# Altium PCB TestMod_SEAx_Baseboard.PcbDoc (part 2 of 2)
Units mil, origin at the board's own origin, x right, y up, seen from the top; angles counter-clockwise.
Board outline 2042.28 x 3149.61 mil, 4 copper layers (Top Layer, GND, Power, Bottom Layer), stack 57.48 mil thick; 38 components, 94 nets, 556 pads, 493 vias.
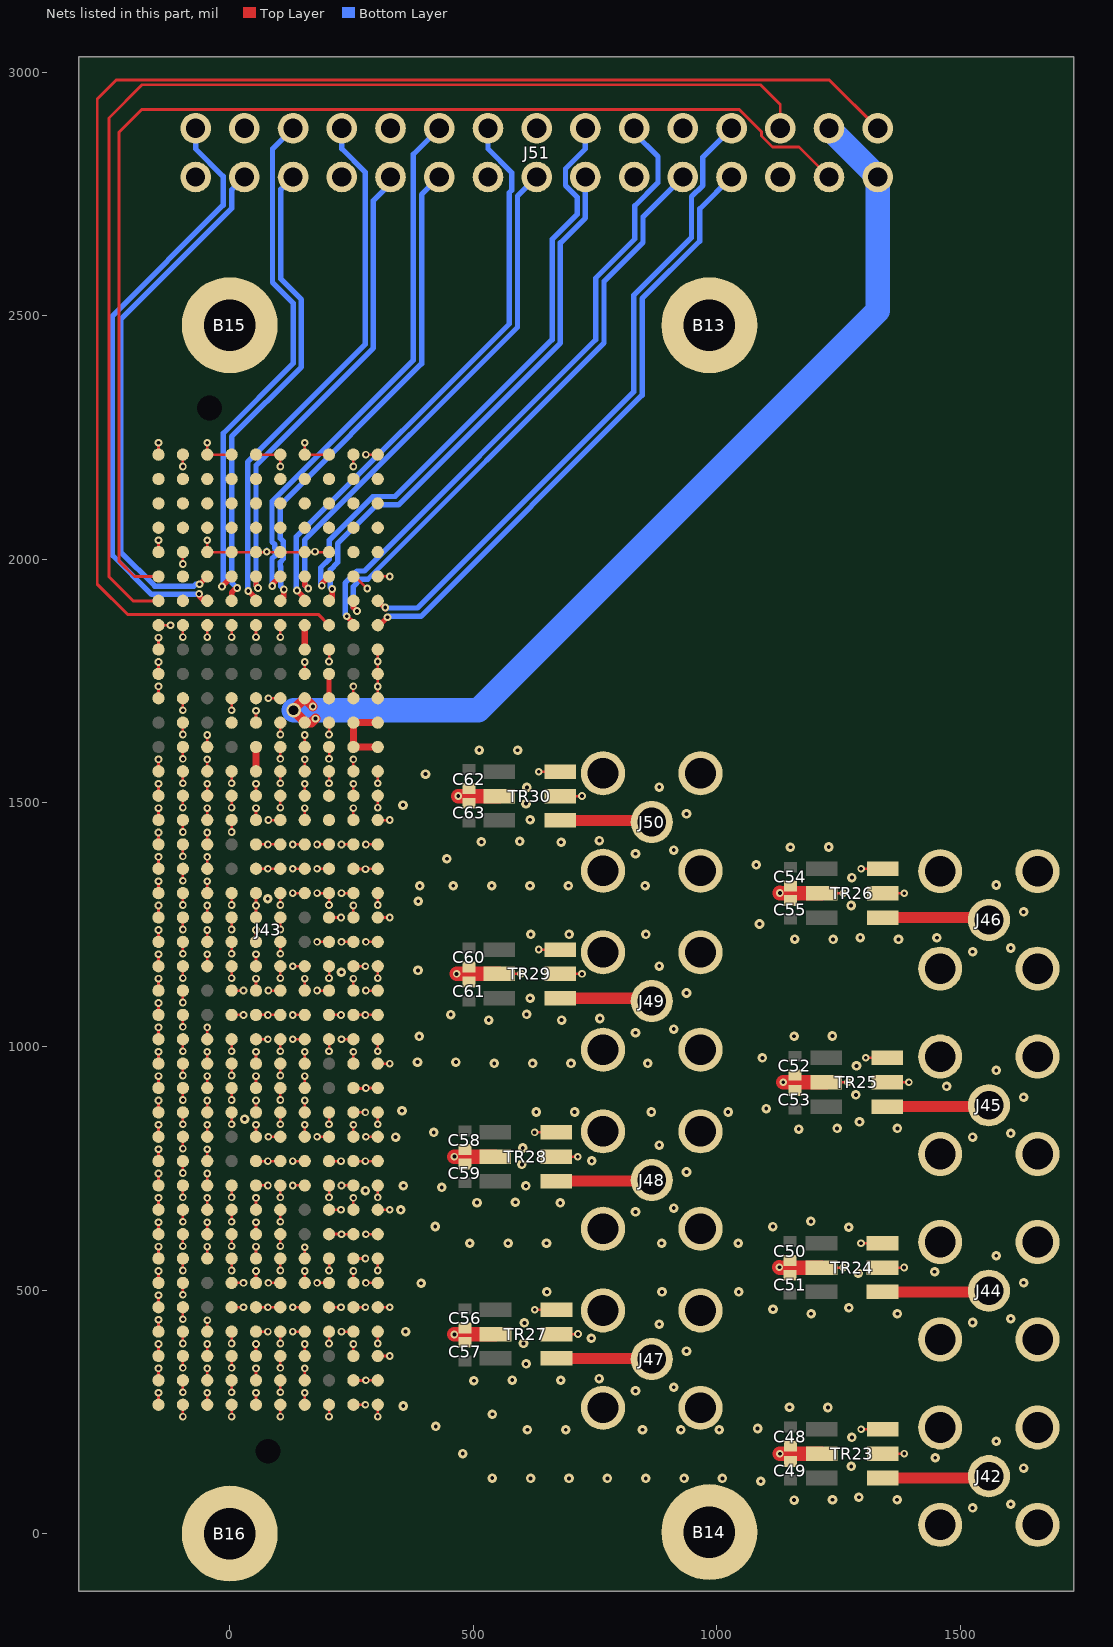
[diagram p4: the nets of this part, all layers, seen from the top]

## Via types
v1: diameter 15.75, hole 7.87, Top Layer to Bottom Layer, tented both sides, 326 vias
v2: diameter 19.68, hole 7.87, Top Layer to Bottom Layer, tented both sides, 166 vias
v3: diameter 30, hole 20, Top Layer to Bottom Layer, tented both sides, 1 vias

## Nets (pads, with @x,y where several pads share a name; then routed paths per layer and width w, separated by ;. In a path a pad name is that pad's centre, name@x,y a point inside that pad or via, vN(x,y) a via of type N, cw(c..) or ccw(c..) an arc to the next point about the centre after c; other vN are vias at no path point) (continued)
GND: B13.1 B14.1 B15.1 B16.1 C48.2 C49.2 C50.2 C51.2 C52.2 C53.2 C54.2 C55.2 C56.2 C57.2 C58.2 C59.2 C60.2 C61.2 C62.2 C63.2 J42.2 J43.a1 J43.a2 J43.a3 J43.a4 J43.a5 J43.a6 J43.a7 J43.a8 J43.a9 J43.a10 J43.a11 J43.a12 J43.a13 J43.a14 J43.a15 J43.a16 J43.a17 J43.a18 J43.a19 J43.a20 J43.a21 J43.a22 J43.a23 J43.a24 J43.a25 J43.a26 J43.a27 J43.a30 J43.a31 J43.a32 J43.a35 J43.a40 J43.b1 J43.b2 J43.b3 J43.b4 J43.b5 J43.b6 J43.b7 J43.b8 J43.b9 J43.b10 J43.b11 J43.b12 J43.b13 J43.b14 J43.b15 J43.b16 J43.b17 J43.b18 J43.b19 J43.b20 J43.b21 J43.b22 J43.b23 J43.b24 J43.b25 J43.b26 J43.b27 J43.b30 J43.b35 J43.b40 J43.c1 J43.c4 J43.c5 J43.c6 J43.c7 J43.c8 J43.c9 J43.c10 J43.c11 J43.c12 J43.c13 J43.c16 J43.c17 J43.c18 J43.c19 J43.c20 J43.c21 J43.c22 J43.c23 J43.c24 J43.c27 J43.c28 J43.c29 J43.c32 J43.c36 J43.c40 J43.d1 J43.d2 J43.d3 J43.d4 J43.d5 J43.d6 J43.d7 J43.d10 J43.d11 J43.d12 J43.d13 J43.d14 J43.d15 J43.d16 J43.d17 J43.d18 J43.d19 J43.d22 J43.d23 J43.d24 J43.d25 J43.d26 J43.d27 J43.d28 J43.d31 J43.d36 J43.d40 J43.e1 J43.e2 J43.e3 J43.e4 J43.e5 J43.e6 J43.e7 J43.e8 J43.e9 J43.e10 J43.e11 J43.e12 J43.e13 J43.e14 J43.e15 J43.e16 J43.e17 J43.e18 J43.e19 J43.e20 J43.e21 J43.e22 J43.e23 J43.e24 J43.e25 J43.e26 J43.e27 J43.e28 J43.e29 J43.e30 J43.e33 J43.e36 J43.e40 J43.f1 J43.f2 J43.f3 J43.f4 J43.f5 J43.f6 J43.f7 J43.f8 J43.f9 J43.f10 J43.f11 J43.f12 J43.f13 J43.f14 J43.f15 J43.f16 J43.f17 J43.f18 J43.f19 J43.f20 J43.f21 J43.f22 J43.f23 J43.f24 J43.f25 J43.f26 J43.f29 J43.f33 J43.f36 J43.f40 J43.g1 J43.g2 J43.g3 J43.g4 J43.g5 J43.g6 J43.g7 J43.g8 J43.g9 J43.g10 J43.g13 J43.g14 J43.g15 J43.g16 J43.g17 J43.g18 J43.g19 J43.g20 J43.g21 J43.g22 J43.g25 J43.g26 J43.g27 J43.g30 J43.g33 J43.g36 J43.g40 J43.h1 J43.h2 J43.h3 J43.h4 J43.h7 J43.h8 J43.h9 J43.h10 J43.h11 J43.h12 J43.h13 J43.h14 J43.h15 J43.h16 J43.h19 J43.h20 J43.h21 J43.h22 J43.h23 J43.h24 J43.h25 J43.h26 J43.h27 J43.h28 J43.h33 J43.h36 J43.h40 J43.j1 J43.j2 J43.j3 J43.j4 J43.j5 J43.j6 J43.j7 J43.j8 J43.j9 J43.j10 J43.j11 J43.j12 J43.j13 J43.j14 J43.j15 J43.j16 J43.j17 J43.j18 J43.j19 J43.j20 J43.j21 J43.j22 J43.j23 J43.j24 J43.j25 J43.j26 J43.j27 J43.j28 J43.j29 J43.j30 J43.j33 J43.j36 J43.j40 J43.k1 J43.k2 J43.k3 J43.k4 J43.k5 J43.k6 J43.k7 J43.k8 J43.k9 J43.k10 J43.k11 J43.k12 J43.k13 J43.k14 J43.k15 J43.k16 J43.k17 J43.k18 J43.k19 J43.k20 J43.k21 J43.k22 J43.k23 J43.k24 J43.k25 J43.k26 J43.k27 J43.k30 J43.k31 J43.k32 J43.k33 J43.k36 J43.k40 J44.2 J45.2 J46.2 J47.2 J48.2 J49.2 J50.2 J51.1 J51.4 J51.7 J51.10 J51.13 J51.16 J51.19 J51.22 J51.25 TR23.1 TR23.2 TR23.5 TR24.1 TR24.2 TR24.5 TR25.1 TR25.2 TR25.5 TR26.1 TR26.2 TR26.5 TR27.1 TR27.2 TR27.5 TR28.1 TR28.2 TR28.5 TR29.1 TR29.2 TR29.5 TR30.1 TR30.2 TR30.5 | length 9167.4
  Top Layer w5.3: J43.k1@-146.26,264.79 v1(-146.26,289.26) ; J43.k2@-146.26,314.79 v1(-146.26,339.26) ; J43.k3@-146.26,364.79 v1(-146.26,389.26) ; J43.k4@-146.26,414.79 v1(-146.26,439.26) ; J43.k5@-146.26,464.79 v1(-146.26,489.26) ; J43.k6@-146.26,514.79 v1(-146.26,539.26) ; J43.k7@-146.26,564.79 v1(-146.26,589.26) ; J43.k8@-146.26,614.79 v1(-146.26,639.26) ; J43.k9@-146.26,664.79 v1(-146.26,689.26) ; J43.k10@-146.26,714.79 v1(-146.26,739.26) ; J43.k11@-146.26,764.79 v1(-146.26,789.26) ; J43.k12@-146.26,814.79 v1(-146.26,839.26) ; J43.k13@-146.26,864.79 v1(-146.26,889.26) ; J43.k14@-146.26,914.79 v1(-146.26,939.26) ; J43.k15@-146.26,964.79 v1(-146.26,989.26) ; J43.k16@-146.26,1014.79 v1(-146.26,1039.26) ; J43.k17@-146.26,1064.79 v1(-146.26,1089.26) ; J43.k18@-146.26,1114.79 v1(-146.26,1139.26) ; J43.k19@-146.26,1164.79 v1(-146.26,1189.26) ; J43.k20@-146.26,1214.79 v1(-146.26,1239.26) ; J43.k21@-146.26,1264.79 v1(-146.26,1289.26) ; J43.k22@-146.26,1314.79 v1(-146.26,1339.26) ; J43.k23@-146.26,1364.79 v1(-146.26,1389.26) ; J43.k24@-146.26,1414.79 v1(-146.26,1439.26) ; J43.k25@-146.26,1464.79 v1(-146.26,1489.26) ; J43.k26@-146.26,1514.79 v1(-146.26,1539.26) ; J43.k27@-146.26,1564.79 v1(-146.26,1589.26) ; J43.k30@-146.26,1714.79 v1(-146.26,1739.26) ; J43.k31@-146.26,1764.79 v1(-146.26,1789.26) ; J43.k32@-146.26,1814.79 v1(-146.26,1839.26) ; J43.k33@-146.26,1864.79 -128.83,1864.79 v1(-121.79,1864.79) ; J43.k36@-146.26,2014.79 v1(-146.26,2039.26) ; J43.k40@-146.26,2214.79 v1(-146.26,2239.26) ; v1(-96.26,240.32) J43.j1@-96.26,264.79 ; v1(-96.26,290.32) J43.j2@-96.26,314.79 ; v1(-96.26,340.32) J43.j3@-96.26,364.79 ; v1(-96.26,390.32) J43.j4@-96.26,414.79 ; v1(-96.26,440.32) J43.j5@-96.26,464.79 ; v1(-96.26,490.32) J43.j6@-96.26,514.79 ; v1(-96.26,540.32) J43.j7@-96.26,564.79 ; v1(-96.26,590.32) J43.j8@-96.26,614.79 ; v1(-96.26,640.32) J43.j9@-96.26,664.79 ; v1(-96.26,690.32) J43.j10@-96.26,714.79 ; v1(-96.26,740.32) J43.j11@-96.26,764.79 ; v1(-96.26,790.32) J43.j12@-96.26,814.79 ; v1(-96.26,840.32) J43.j13@-96.26,864.79 ; v1(-96.26,890.32) J43.j14@-96.26,914.79 ; v1(-96.26,940.32) J43.j15@-96.26,964.79 ; v1(-96.26,990.32) J43.j16@-96.26,1014.79 ; v1(-96.26,1040.32) J43.j17@-96.26,1064.79 ; v1(-96.26,1090.32) J43.j18@-96.26,1114.79 ; v1(-96.26,1140.32) J43.j19@-96.26,1164.79 ; v1(-96.26,1190.32) J43.j20@-96.26,1214.79 ; v1(-96.26,1240.32) J43.j21@-96.26,1264.79 ; v1(-96.26,1290.32) J43.j22@-96.26,1314.79 ; v1(-96.26,1340.32) J43.j23@-96.26,1364.79 ; v1(-96.26,1390.32) J43.j24@-96.26,1414.79 ; v1(-96.26,1440.32) J43.j25@-96.26,1464.79 ; v1(-96.26,1490.32) J43.j26@-96.26,1514.79 ; v1(-96.26,1540.32) J43.j27@-96.26,1564.79 ; v1(-96.26,1590.32) J43.j28@-96.26,1614.79 ; v1(-96.26,1640.32) J43.j29@-96.26,1664.79 ; v1(-96.26,1690.32) J43.j30@-96.26,1714.79 ; v1(-96.26,1840.32) J43.j33@-96.26,1864.79 ; v1(-96.26,1990.32) J43.j36@-96.26,2014.79 ; v1(-96.26,2190.32) J43.j40@-96.26,2214.79 ; J43.h1@-46.26,264.79 v1(-46.26,289.26) ; J43.h2@-46.26,314.79 v1(-46.26,339.26) ; J43.h3@-46.26,364.79 v1(-46.26,389.26) ; J43.h4@-46.26,414.79 -46,415.05 v1(-46,438) ; J43.h7@-46.26,564.79 v1(-46.26,589.26) ; J43.h8@-46.26,614.79 v1(-46.26,639.26) ; J43.h9@-46.26,664.79 v1(-46.26,689.26) ; J43.h10@-46.26,714.79 v1(-46.26,739.26) ; J43.h11@-46.26,764.79 v1(-46.26,789.26) ; J43.h12@-46.26,814.79 v1(-46.26,839.26) ; J43.h13@-46.26,864.79 v1(-46.26,889.26) ; J43.h14@-46.26,914.79 v1(-46.26,939.26) ; J43.h15@-46.26,964.79 v1(-46.26,989.26) ; J43.h16@-46.26,1014.79 v1(-46.26,1039.26) ; J43.h19@-46.26,1164.79 v1(-46.26,1189.26) ; J43.h20@-46.26,1214.79 v1(-46.26,1239.26) ; J43.h21@-46.26,1264.79 v1(-46.26,1289.26) ; J43.h22@-46.26,1314.79 v1(-46.26,1339.26) ; J43.h23@-46.26,1364.79 v1(-46.26,1389.26) ; J43.h24@-46.26,1414.79 v1(-46.26,1439.26) ; J43.h25@-46.26,1464.79 v1(-46.26,1489.26) ; J43.h26@-46.26,1514.79 v1(-46.26,1539.26) ; J43.h27@-46.26,1564.79 v1(-46.26,1589.26) ; J43.h28@-46.26,1614.79 v1(-46.26,1639.26) ; v1(-46.26,1840.32) -46.26,1847.36 J43.h33@-46.26,1864.79 ; v1(-46.26,2039.26) J43.h36@-46.26,2014.79 J43.g36@3.74,2014.79 J43.f36@53.74,2014.79 v1@74,2014.79 ; v1(-46.26,2239.26) J43.h40@-46.26,2214.79 J43.g40@3.74,2214.79 ; v1(3.74,240.32) J43.g1@3.74,264.79 ; v1(3.74,290.32) J43.g2@3.74,314.79 ; v1(3.74,340.32) J43.g3@3.74,364.79 ; v1(3.74,390.32) J43.g4@3.74,414.79 ; J43.g5@3.74,464.79 21.17,464.79 v1(28.21,464.79) ; J43.g6@3.74,514.79 21.17,514.79 v1(28.21,514.79) ; v1(3.74,540.32) J43.g7@3.74,564.79 ; v1(3.74,590.32) J43.g8@3.74,614.79 ; v1(3.74,640.32) J43.g9@3.74,664.79 ; v1(3.74,690.32) J43.g10@3.74,714.79 ; v1(3.74,840.32) J43.g13@3.74,864.79 ; v1(3.74,890.32) J43.g14@3.74,914.79 ; v1(3.74,940.32) J43.g15@3.74,964.79 ; v1(3.74,990.32) J43.g16@3.74,1014.79 ; J43.g17@3.74,1064.79 21.17,1064.79 v1(28.21,1064.79) ; J43.g18@3.74,1114.79 21.17,1114.79 v1(28.21,1114.79) ; v1(3.74,1140.32) J43.g19@3.74,1164.79 ; v1(3.74,1190.32) J43.g20@3.74,1214.79 ; v1(3.74,1240.32) J43.g21@3.74,1264.79 ; v1(3.74,1290.32) J43.g22@3.74,1314.79 ; v1(3.74,1440.32) J43.g25@3.74,1464.79 ; v1(3.74,1490.32) J43.g26@3.74,1514.79 ; v1(3.74,1540.32) J43.g27@3.74,1564.79 ; v1(3.74,1690.32) J43.g30@3.74,1714.79 ; v1(3.74,1840.32) J43.g33@3.74,1864.79 ; J43.f1@53.74,264.79 v1(53.74,289.26) ; J43.f2@53.74,314.79 v1(53.74,339.26) ; J43.f3@53.74,364.79 v1(53.74,389.26) ; J43.f4@53.74,414.79 71.17,414.79 v1(78.21,414.79) ; J43.f5@53.74,464.79 71.17,464.79 v1(78.21,464.79) J43.e5@103.74,464.79 ; J43.f6@53.74,514.79 v1(53.74,539.26) ; J43.f7@53.74,564.79 v1(53.74,589.26) ; J43.f8@53.74,614.79 v1(53.74,639.26) ; J43.f9@53.74,664.79 v1(53.74,689.26) ; J43.f10@53.74,714.79 71.17,714.79 v1(78.21,714.79) ; J43.f11@53.74,764.79 71.17,764.79 v1(78.21,764.79) J43.e11@103.74,764.79 ; J43.f12@53.74,814.79 v1(53.74,839.26) ; J43.f13@53.74,864.79 v1(53.74,889.26) ; J43.f14@53.74,914.79 v1(53.74,939.26) ; J43.f15@53.74,964.79 v1(53.74,989.26) ; J43.f16@53.74,1014.79 71.17,1014.79 v1(78.21,1014.79) ; J43.f17@53.74,1064.79 71.17,1064.79 v1(78.21,1064.79) J43.e17@103.74,1064.79 ; J43.f18@53.74,1114.79 v1(53.74,1139.26) ; J43.f19@53.74,1164.79 v1(53.74,1189.26) ; J43.f20@53.74,1214.79 v1(53.74,1239.26) ; J43.f21@53.74,1264.79 v1(53.74,1289.26) J43.f22@53.74,1314.79 ; J43.f23@53.74,1364.79 71.17,1364.79 v1(78.21,1364.79) J43.e23@103.74,1364.79 ; J43.f24@53.74,1414.79 71.17,1414.79 v1(78.21,1414.79) J43.e24@103.74,1414.79 ; J43.f25@53.74,1464.79 v1(53.74,1489.26) ; J43.f26@53.74,1514.79 v1(53.74,1539.26) ; J43.f29@53.74,1664.79 v1(53.74,1689.26) ; v1(53.74,1840.32) 53.74,1847.36 J43.f33@53.74,1864.79 ; J43.f40@53.74,2214.79 J43.e40@103.74,2214.79 v1(103.74,2190.32) ; v1(76,2015.42) 74.63,2015.42 v1@74,2014.79 ; v1(79.27,514.79) 86.31,514.79 J43.e6@103.74,514.79 ; v1(79.27,814.79) 86.31,814.79 J43.e12@103.74,814.79 ; v1(79.27,1114.79) 86.31,1114.79 J43.e18@103.74,1114.79 ; v1(79.27,1464.79) 86.31,1464.79 J43.e25@103.74,1464.79 ; v1(79.27,1714.79) 86.31,1714.79 J43.e30@103.74,1714.79 ; v1(103.74,240.32) J43.e1@103.74,264.79 ; v1(103.74,290.32) J43.e2@103.74,314.79 ; v1(103.74,340.32) J43.e3@103.74,364.79 ; v1(103.74,390.32) J43.e4@103.74,414.79 ; v1(103.74,540.32) J43.e7@103.74,564.79 ; v1(103.74,590.32) J43.e8@103.74,614.79 ; v1(103.74,640.32) J43.e9@103.74,664.79 ; v1(103.74,690.32) J43.e10@103.74,714.79 ; v1(103.74,840.32) J43.e13@103.74,864.79 ; v1(103.74,890.32) J43.e14@103.74,914.79 ; v1(103.74,940.32) J43.e15@103.74,964.79 ; v1(103.74,990.32) J43.e16@103.74,1014.79 ; v1(103.74,1140.32) J43.e19@103.74,1164.79 ; v1(103.74,1190.32) J43.e20@103.74,1214.79 ; v1(103.74,1240.32) J43.e21@103.74,1264.79 ; v1(103.74,1290.32) J43.e22@103.74,1314.79 ; v1(103.74,1490.32) J43.e26@103.74,1514.79 ; v1(103.74,1540.32) J43.e27@103.74,1564.79 ; v1(103.74,1590.32) J43.e28@103.74,1614.79 ; v1(103.74,1640.32) J43.e29@103.74,1664.79 ; v1(103.74,1840.32) J43.e33@103.74,1864.79 ; v1(129.27,414.79) 136.31,414.79 J43.d4@153.74,414.79 ; v1(129.27,464.79) 136.31,464.79 J43.d5@153.74,464.79 ; v1(129.27,714.79) 136.31,714.79 J43.d10@153.74,714.79 ; v1(129.27,764.79) 136.31,764.79 J43.d11@153.74,764.79 ; v1(129.27,1014.79) 136.31,1014.79 J43.d16@153.74,1014.79 ; v1(129.27,1064.79) 136.31,1064.79 J43.d17@153.74,1064.79 ; v1(129.27,1164.79) 136.31,1164.79 J43.d19@153.74,1164.79 ; v1(129.27,1364.79) 136.31,1364.79 J43.d23@153.74,1364.79 ; v1(129.27,1414.79) 136.31,1414.79 J43.d24@153.74,1414.79 ; v1@136.31,1314.79 J43.d22@153.74,1314.79 ; J43.d1@153.74,264.79 v1(153.74,289.26) ; J43.d2@153.74,314.79 v1(153.74,339.26) ; J43.d3@153.74,364.79 v1(153.74,389.26) ; J43.d6@153.74,514.79 v1(153.74,539.26) ; J43.d7@153.74,564.79 154,565.05 v1(154,588) ; J43.d12@153.74,814.79 v1(153.74,839.26) ; J43.d13@153.74,864.79 v1(153.74,889.26) ; J43.d14@153.74,914.79 v1(153.74,939.26) ; J43.d15@153.74,964.79 v1(153.74,989.26) ; J43.d18@153.74,1114.79 v1(153.74,1139.26) ; J43.d25@153.74,1464.79 v1(153.74,1489.26) ; J43.d26@153.74,1514.79 v1(153.74,1539.26) ; J43.d27@153.74,1564.79 v1(153.74,1589.26) ; J43.d28@153.74,1614.79 v1(153.74,1639.26) ; J43.d31@153.74,1764.79 v1(153.74,1789.26) ; v1(153.74,2239.26) J43.d40@153.74,2214.79 J43.c40@203.74,2214.79 ; v1(175,2015.79) v1@174,2014.79 ; v1(179.27,514.79) J43.c6@203.74,514.79 ; v1(179.27,814.79) J43.c12@203.74,814.79 ; v1(179.27,1114.79) J43.c18@203.74,1114.79 ; v1(179.27,1214.79) J43.c20@203.74,1214.79 ; v1(179.27,1414.79) J43.c24@203.74,1414.79 ; v1@186.31,1314.79 J43.c22@203.74,1314.79 v1(203.74,1290.32) ; v1@186.31,1364.79 J43.c23@203.74,1364.79 ; v1(203.74,240.32) J43.c1@203.74,264.79 ; v1(203.74,390.32) J43.c4@203.74,414.79 ; J43.c5@203.74,464.79 v1(228.21,464.79) ; v1(203.74,540.32) J43.c7@203.74,564.79 ; J43.c9@203.74,664.79 v1(228.21,664.79) ; v1(203.74,690.32) J43.c10@203.74,714.79 ; J43.c11@203.74,764.79 v1(228.21,764.79) ; v1(203.74,840.32) J43.c13@203.74,864.79 ; v1(203.74,990.32) J43.c16@203.74,1014.79 ; J43.c17@203.74,1064.79 v1(228.21,1064.79) ; v1(203.74,1140.32) J43.c19@203.74,1164.79 ; J43.c21@203.74,1264.79 v1(228.21,1264.79) ; v1(203.74,1540.32) J43.c27@203.74,1564.79 ; v1(203.74,1590.32) J43.c28@203.74,1614.79 ; v1(203.74,1640.32) J43.c29@203.74,1664.79 ; v1(203.74,1790.32) J43.c32@203.74,1814.79 ; J43.c36@203.74,2014.79 v1@174,2014.79 ; v1(229.27,414.79) J43.b4@253.74,414.79 ; v1(229.27,614.79) J43.b8@253.74,614.79 ; v1(229.27,714.79) J43.b10@253.74,714.79 ; v1(229.27,1014.79) J43.b16@253.74,1014.79 ; v1(229.27,1214.79) J43.b20@253.74,1214.79 ; v1(229.27,1414.79) J43.b24@253.74,1414.79 ; v1@236.31,1314.79 J43.b22@253.74,1314.79 ; J43.b1@253.74,264.79 v1(278.21,264.79) ; J43.b3@253.74,364.79 v1(253.74,389.26) ; J43.b5@253.74,464.79 v1(278.21,464.79) ; J43.b6@253.74,514.79 v1(253.74,539.26) ; J43.b7@253.74,564.79 v1(278.21,564.79) ; J43.b9@253.74,664.79 v1(253.74,689.26) ; J43.b11@253.74,764.79 v1(278.21,764.79) ; J43.b12@253.74,814.79 v1(253.74,839.26) ; J43.b13@253.74,864.79 v1(278.21,864.79) ; J43.b15@253.74,964.79 v1(253.74,989.26) ; J43.b17@253.74,1064.79 v1(278.21,1064.79) J43.a17@303.74,1064.79 ; J43.b18@253.74,1114.79 v1(253.74,1139.26) ; J43.b19@253.74,1164.79 v1(278.21,1164.79) ; J43.b21@253.74,1264.79 v1(253.74,1289.26) ; J43.b23@253.74,1364.79 v1@278.21,1364.79 ; J43.b25@253.74,1464.79 v1(253.74,1489.26) ; J43.b26@253.74,1514.79 v1(253.74,1539.26) ; J43.b27@253.74,1564.79 v1(253.74,1589.26) ; J43.b30@253.74,1714.79 v1(253.74,1739.26) ; J43.b35@253.74,1964.79 257.21,1964.79 v1(282,1940) ; v1(253.74,2190.32) 253.74,2197.36 J43.b40@253.74,2214.79 ; J43.b23@254,1364 v1@271.43,1364 ; J43.b14@254.74,913.75 v1@279.21,913.75 ; v1@278.53,764.79 J43.a11@303,764.79 ; v1(279.27,314.79) J43.a2@303.74,314.79 ; v1(279.27,514.79) J43.a6@303.74,514.79 ; v1(279.27,614.79) J43.a8@303.74,614.79 ; v1(279.27,814.79) J43.a12@303.74,814.79 ; v1(279.27,914.79) J43.a14@303.74,914.79 ; v1(279.27,1114.79) J43.a18@303.74,1114.79 ; v1(279.27,1214.79) J43.a20@303.74,1214.79 ; v1(279.27,1414.79) J43.a24@303.74,1414.79 ; v1(279.27,2214.79) J43.a40@303.74,2214.79 ; v1@283.31,1364.79 J43.a23@300.74,1364.79 ; v1(303.74,240.32) J43.a1@303.74,264.79 ; J43.a3@303.74,364.79 v1(328.21,364.79) ; v1(303.74,390.32) J43.a4@303.74,414.79 ; J43.a5@303.74,464.79 v1(328.21,464.79) ; v1(303.74,540.32) J43.a7@303.74,564.79 ; J43.a9@303.74,664.79 v1(328.21,664.79) ; v1(303.74,690.32) J43.a10@303.74,714.79 ; v1(303.74,840.32) J43.a13@303.74,864.79 ; J43.a15@303.74,964.79 v1(328.21,964.79) ; v1(303.74,990.32) J43.a16@303.74,1014.79 ; v1(303.74,1140.32) J43.a19@303.74,1164.79 ; J43.a21@303.74,1264.79 v1(328.21,1264.79) ; v1(303.74,1290.32) J43.a22@303.74,1314.79 ; J43.a25@303.74,1464.79 v1(328.21,1464.79) ; v1(303.74,1490.32) J43.a26@303.74,1514.79 ; v1(303.74,1540.32) J43.a27@303.74,1564.79 ; J43.a30@303.74,1714.79 v1(303.74,1739) J43.a31@303.74,1764.79 v1(303.74,1790.32) J43.a32@303.74,1814.79 ; J43.a35@303.74,1964.79 v1(328.21,1964.79) ; C63.2@491,1499.29 491,1514 C62.2@491,1529.71 ; TR29.5@553.4,1149 590.71,1149 v1(597.76,1149) ; v1(625.64,823.68) 632.68,823.68 TR28.1@669.99,823.68 ; v1(626.09,459.72) 633.13,459.72 TR27.1@670.44,459.72 ; v1(634.24,1199) 641.29,1199 TR29.1@678.6,1199 ; v1(634.24,1564) 641.29,1564 TR30.1@678.6,1564 ; TR28.2@669.99,773.68 707.3,773.68 v1(714.35,773.68) ; TR27.2@670.44,409.72 v1@707.75,409.72 ; TR29.2@678.6,1149 715.91,1149 v1(722.95,1149) ; TR30.2@678.6,1514 715.91,1514 v1(722.95,1514) ; v1@707.75,409.72 v1(714.8,409.72) ; TR24.5@1214.58,546.24 1251.88,546.24 v1(1258.93,546.24) ; TR26.5@1214.97,1314.69 1252.28,1314.69 v1(1259.32,1314.69) ; TR25.5@1224.38,926.75 1261.69,926.75 v1(1268.74,926.75) ; v1(1295.42,596.24) 1302.46,596.24 TR24.1@1339.77,596.24 ; v1(1295.81,214.31) 1302.86,214.31 TR23.1@1340.16,214.31 ; v1(1295.81,1364.69) 1302.86,1364.69 TR26.1@1340.16,1364.69 ; v1(1305.23,976.75) 1312.27,976.75 TR25.1@1349.58,976.75 ; TR24.2@1339.77,546.24 1377.08,546.24 v1(1384.13,546.24) ; TR23.2@1340.16,164.31 1377.47,164.31 v1(1384.52,164.31) ; TR26.2@1340.16,1314.69 1377.47,1314.69 v1(1384.52,1314.69) ; TR25.2@1349.58,926.75 1386.89,926.75 v1(1393.94,926.75) ; v1@74,2014.79 J43.e36@103.74,2014.79 J43.d36@153.74,2014.79 v1@174,2014.79
  Top Layer w6: J43.c8@203.74,614.79 v1(229.27,614.79) ; J43.b2@253.74,314.79 v1(279.27,314.79)
  Top Layer w30: v1(461,409) 544.52,409 TR27.5@545.24,409.72 ; v1(461,774) 544.48,774 TR28.5@544.8,773.68 ; v1(465.61,1149) TR29.5@553.4,1149 ; v1(469,1514) 491,1514 TR30.5@553.4,1514 ; v1(1128,547) 1128.76,546.24 TR24.5@1214.58,546.24 ; v1(1129,164) 1214.65,164 TR23.5@1214.97,164.31 ; v1(1129,1315) 1129.31,1314.69 TR26.5@1214.97,1314.69 ; v1(1136,926.75) TR25.5@1224.38,926.75
  Bottom Layer w5.3: v1(76,2015.42) v1@76,2022
  other v1: 129.27,1314.79 179.27,1314.79 229.27,1314.79 278.47,1364 179.27,1364.79
  other v2: 1524.65,52.88 1603.02,60.47 1158.38,69.02 1237.12,69.57 1369.82,69.57 1291.25,74.74 1089.72,107.57 538.76,113.99 617.5,113.4 696.24,113.4 774.98,113.4 853.72,113.4 932.46,113.4 1011.2,113.4 1629.44,134.65 1275.71,138.21 1447.94,155.75 478.32,164.46 1573.27,189.83 1277.02,197.73 610.96,213.23 689.7,213.23 847.18,213.23 925.92,213.23 1004.66,213.23 1083.35,215.97 422.65,220.14 538.93,245.05 1227.63,259.06 1148.89,259.61 356.01,262.08 832.71,293.08 911.09,300.67 501.02,314.06 679.44,314.98 579.75,315.24 758.11,318.28 608.18,348.46 937.5,374.85 602.77,390.54 742.2,401.16 360.87,414.87 881.33,430.03 604.66,432.62 1524.65,433.45 1603.02,441.05 1193.09,451.5 1370.19,451.5 1114.89,460.76 1270.86,463.8 650.94,496.32 887.16,496.32 1044.64,496.32 392.67,514.14 1629.44,515.22 1289.58,534.83 1446.75,537.68 1573.27,570.41 492.59,596.16 571.33,596.16 650.07,596.16 886.29,596.16 1043.77,596.16 1270.53,629.11 421.73,630.49 1114.66,630.43 1192.69,640.98 832.71,660.57 350.81,664.71 911.09,668.17 678.34,678.94 507.36,679.59 586.1,680.42 278.31,704.27 435.11,710.9 356.44,714.08 607.73,713.78 937.5,742.34 599.66,757.98 743.09,765.12 601.45,791.73 881.33,797.53 340.37,813.92 1524.65,814.03 1603.02,821.62 418.51,823.6 1167.72,830.46 1246.44,832.01 1370.17,832.01 1292.56,845.28 30.5,850.87 629.07,865.47 707.81,865.47 865.29,865.47 1022.77,865.47 353.54,868.08 1101.19,872.58 1629.44,895.8 1285.15,900.58 1471.33,918.19 1573.27,950.98 1286.45,960.28 542.78,965.3 621.52,965.3 700.26,965.3 857.74,965.3 385.34,967.92 464.08,967.92 1093.14,976.67 388.72,1020.63 1158.18,1021.05 1236.92,1021.5 832.71,1028.07 911.09,1035.66 531.36,1054.26 681.03,1054.26 759.71,1057.56 453.43,1065.5 609.23,1065.96 616.34,1099.13 937.5,1109.84 228.96,1152.35 386.34,1156.32 881.33,1165.02 1524.65,1194.61 1603.02,1202.2 1238.4,1219.95 1372.63,1219.95 1159.66,1220.4 1293.97,1223.45 1451.31,1223.26 617.83,1230.08 696.57,1230.08 854.05,1230.08 1087.31,1251.48 1629.44,1276.38 1275.33,1289.49 386.8,1298.01 77.85,1303.4 390.03,1329.71 458.78,1329.92 537.52,1329.92 616.26,1329.92 695,1329.92 852.48,1329.92 1573.27,1331.56 1276.82,1346.6 1080.66,1372.87 445.65,1385.45 832.71,1395.56 911.09,1403.15 1150.63,1408.99 1229.37,1409.44 516.48,1419.84 680.08,1419.26 595.21,1420.94 758.75,1422.56 616.34,1465.49 937.5,1477.33 355.52,1495.37 608,1498.64 609.77,1531.66 881.33,1532.51 401.64,1559.19 590.83,1608.09 512.09,1608.28
I2C_SCL: J43.k35 J51.27 | length 2513.3
  Top Layer w6: J43.k35@-146.26,1964.79 -195.79,1964.79 -227,1996 -227,2877 -180.86,2923.14 1045.87,2923.14 1091.42,2877.59 1091.42,2868.7 1113.97,2846.15 1168.42,2846.15 J51.27@1229.92,2784.65
I2C_SDA: J43.k34 J51.26 | length 2535.8
  Top Layer w6: J43.k34@-146.26,1914.79 -198.79,1914.79 -248,1964 -248,2906 -180,2974 1089.35,2974 1129.92,2933.43 J51.26@1129.92,2884.65
LO_IN_N: J43.c25
LO_IN_P: J43.c26
LVDS0_N: J43.h35 J51.3 | length 1081.8
  Top Layer w11: v1(-62.23,1948.82) J43.h35@-46.26,1964.79
  Bottom Layer w11: v1@-70.08,1948.82 -73.9,1945 -153.66,1945 -224.08,2015.42 -224.08,2492.46 4.23,2720.77 4.23,2758.96 J51.3@29.92,2784.65
LVDS0_P: J43.h34 J51.2 | length 1230.8
  Top Layer w11: v1(-63,1929) -63,1924.74 -53.05,1914.79 J43.h34@-46.26,1914.79
  Bottom Layer w11: J51.2@-70.08,2884.65 -70.08,2842.63 -13.58,2786.12 -13.58,2727 -241.08,2499.5 -241.08,2008.38 -160.7,1928 -66.86,1928 -65.86,1929 v1(-63,1929)
LVDS1_N: J43.g35 J51.6 | length 1064.7
  Top Layer w11: v1(-16,1944.16) 3.74,1963.9 J43.g35@3.74,1964.79
  Bottom Layer w11: v1(-16,1944.16) -13.26,1946.9 -13.26,2258.78 129.92,2401.96 129.92,2526.01 87.74,2568.19 87.74,2842.47 J51.6@129.92,2884.65
LVDS1_P: J43.g34 J51.5 | length 967.6
  Top Layer w11: J43.g34@3.74,1914.79 3.74,1931.74 13,1941 v1(15,1941)
  Bottom Layer w11: v1(15,1941) 3.74,1952.26 3.74,2251.74 146.92,2394.92 146.92,2533.06 104.74,2575.24 104.74,2759.47 J51.5@129.92,2784.65
LVDS2_N: J43.f35 J51.9 | length 985.4
  Top Layer w11: J43.f35@53.74,1964.79 53.74,1945.26 v1(58,1941)
  Bottom Layer w11: v1(58,1941) 53.74,1945.26 53.74,2192.79 294.74,2433.79 294.74,2736.22 329.92,2771.4 J51.9@329.92,2784.65
LVDS2_P: J43.f34 J51.8 | length 1096.5
  Top Layer w11: v1(38,1935) 53.74,1919.26 J43.f34@53.74,1914.79
  Bottom Layer w11: v1(38,1935) 36.74,1936.26 36.74,2199.83 277.74,2440.83 277.74,2794.81 229.92,2842.63 J51.8@229.92,2884.65
LVDS3_N: J43.e35 J51.12 | length 1113.6
  Top Layer w11: v1(87,1945.26) 87,1948.05 J43.e35@103.74,1964.79
  Bottom Layer w11: v1(87,1945.26) 86.74,1945.52 86.74,2001.59 93.37,2008.22 93.37,2022.61 92.37,2023.61 92.37,2030.2 86.74,2035.83 86.74,2118.81 376.7,2408.77 376.7,2831.43 J51.12@429.92,2884.65
LVDS3_P: J43.e34 J51.11 | length 1016.5
  Top Layer w11: J43.e34@103.74,1914.79 111,1922.05 v1(111,1938)
  Bottom Layer w11: v1(111,1938) 104.37,1944.63 104.37,1985.37 103.74,1986 103.74,1994.55 110.37,2001.18 110.37,2029.66 109.37,2030.66 109.37,2037.24 103.74,2042.87 103.74,2111.77 393.7,2401.73 393.7,2748.43 J51.11@429.92,2784.65
LVDS4_N: J43.d35 J51.15 | length 1072.7
  Top Layer w11: J43.d35@153.74,1964.79 153.74,1947.26 v1(161,1940)
  Bottom Layer w11: v1(161,1940) 153.74,1947.26 153.74,2039.5 590.55,2476.31 590.55,2745.28 J51.15@629.92,2784.65
LVDS4_P: J43.d34 J51.14 | length 1180
  Top Layer w11: v1(138,1936) 153.74,1920.26 J43.d34@153.74,1914.79
  Bottom Layer w11: v1(138,1936) 136.74,1937.26 136.74,2046.54 573.55,2483.35 573.55,2752.32 578.53,2757.3 578.53,2794.02 529.92,2842.63 J51.14@529.92,2884.65
LVDS5_N: J43.c35 J51.18 | length 1236.1
  Top Layer w11: v1(189,1946) 189,1950.05 J43.c35@203.74,1964.79
  Bottom Layer w11: v1(189,1946) 186.74,1948.26 186.74,1982.74 204.45,2000.45 204.45,2039.55 293.7,2128.79 339.38,2128.79 661.6,2451.01 661.6,2656.69 712.92,2708.01 712.92,2743.67 688.92,2767.67 688.92,2801.63 729.92,2842.63 J51.18@729.92,2884.65
LVDS5_P: J43.c34 J51.17 | length 1117.6
  Top Layer w11: J43.c34@203.74,1914.79 210,1921.05 v1(210,1939)
  Bottom Layer w11: v1(210,1939) 206.37,1942.63 206.37,1978.33 221.45,1993.41 221.45,2032.51 300.74,2111.79 346.42,2111.79 678.6,2443.97 678.6,2649.65 729.92,2700.97 J51.17@729.92,2784.65
LVDS6_N: J43.b34 J51.21 | length 1224.8
  Top Layer w11: J43.b34@253.74,1914.79 253.74,1901.26 v1(261,1894)
  Bottom Layer w11: v1(261,1894) 253.74,1901.26 253.74,1944.16 268.58,1959 283.16,1959 768.13,2443.97 768.13,2570.4 848.17,2650.44 848.17,2702.9 J51.21@929.92,2784.65 J51.21@916.65,2797.92
LVDS6_P: J43.b33 J51.20 | length 1321.8
  Top Layer w11: v1(240,1883) 253.74,1869.26 J43.b33@253.74,1864.79
  Bottom Layer w11: v1(240,1883) 236.74,1886.26 236.74,1951.2 261.54,1976 276.12,1976 751.13,2451.01 751.13,2577.44 831.17,2657.48 831.17,2725.42 879,2773.25 879,2826.43 829.92,2875.51 J51.20@829.92,2884.65
LVDS7_N: J43.a34 J51.24 | length 1343.1
  Top Layer w11: J43.a34@303.74,1914.79 v1@319,1899.53 ; v1(319,1901) v1@319,1899.53 ; v1@320.16,1898.37 v1@319,1899.53
  Bottom Layer w11: v1(319,1901) 320,1900 385.4,1900 829.46,2344.06 829.46,2542.06 947.57,2660.17 947.57,2744.32 970.92,2767.67 970.92,2825.64 J51.24@1029.92,2884.65
LVDS7_P: J43.a33 J51.23 | length 1261.9
  Top Layer w11: J43.a33@303.74,1864.79 307.61,1864.79 v1(323.82,1881)
  Bottom Layer w11: v1(323.82,1881) 325.82,1883 392.44,1883 846.46,2337.01 846.46,2535.01 964.57,2653.12 964.57,2719.3 J51.23@1029.92,2784.65
MEZZ1_IO0: J43.a39
MEZZ1_IO1: J43.b39
MEZZ1_IO2: J43.c39
MEZZ1_IO3: J43.d39
MEZZ1_IO4: J43.e39
MEZZ1_IO5: J43.f39
MEZZ1_IO6: J43.g39
MEZZ1_IO7: J43.h39
MEZZ1_IO8: J43.j39
MEZZ1_IO9: J43.k39
MEZZ1_IO10: J43.a38
MEZZ1_IO11: J43.b38
MEZZ1_IO12: J43.c38
MEZZ1_IO13: J43.d38
MEZZ1_IO14: J43.e38
MEZZ1_IO15: J43.f38
MEZZ2_IO0: J43.g38
MEZZ2_IO1: J43.h38
MEZZ2_IO2: J43.j38
MEZZ2_IO3: J43.k38
MEZZ2_IO4: J43.a37
MEZZ2_IO5: J43.b37
MEZZ2_IO6: J43.c37
MEZZ2_IO7: J43.d37
MEZZ2_IO8: J43.e37
MEZZ2_IO9: J43.f37
MEZZ2_IO10: J43.g37
MEZZ2_IO11: J43.h37
MEZZ2_IO12: J43.j37
MEZZ2_IO13: J43.k37
MEZZ2_IO14: J43.a36
MEZZ2_IO15: J43.b36
N6V0A: J43.f27 J43.f28 | length 50
  Top Layer w14: J43.f27@53.74,1564.79 J43.f28@53.74,1614.79
N12V0A: J43.d32 J43.d33 | length 50
  Top Layer w14: J43.d32@153.74,1814.79 J43.d33@153.74,1864.79
NetJ42_1: J42.1 TR23.3 | length 219.5
  Top Layer w22.86: TR23.3@1340.16,114.31 1554.28,114.31 J42.1@1558.08,118.11
NetJ44_1: J44.1 TR24.3 | length 219.3
  Top Layer w22.86: TR24.3@1339.77,496.24 1555.63,496.24 J44.1@1558.08,498.69
NetJ45_1: J45.1 TR25.3 | length 209.5
  Top Layer w22.86: TR25.3@1349.58,876.75 1555.57,876.75 J45.1@1558.08,879.26
NetJ46_1: J46.1 TR26.3 | length 219.9
  Top Layer w22.86: TR26.3@1340.16,1264.69 1553.23,1264.69 J46.1@1558.08,1259.84
NetJ47_1: J47.1 TR27.3 | length 196.3
  Top Layer w22.86: TR27.3@670.44,359.72 864.74,359.72 J47.1@866.14,358.32
NetJ48_1: J48.1 TR28.3 | length 197
  Top Layer w22.86: TR28.3@669.99,723.68 864.02,723.68 J48.1@866.14,725.81
NetJ49_1: J49.1 TR29.3 | length 189.9
  Top Layer w22.86: TR29.3@678.6,1099 860.44,1099 J49.1@866.14,1093.3
NetJ50_1: J50.1 TR30.3 | length 188.9
  Top Layer w22.86: TR30.3@678.6,1464 862.93,1464 J50.1@866.14,1460.79
P3V3: J43.c30 J43.c31 | length 50
  Top Layer w10: J43.c30@203.74,1714.79 J43.c31@203.74,1764.79
P3V3_MP: J43.c33 J51.30 | length 3165.8
  Top Layer w6: J43.c33@203.74,1864.79 181.53,1887 -210,1887 -272,1949 -272,2945 -233,2984 1230.57,2984 J51.30@1329.92,2884.65
P6V0A: J43.a28 J43.a29 J43.b28 J43.b29 | length 150
  Top Layer w14: J43.a28@303.74,1614.79 J43.b28@253.74,1614.79 J43.b29@253.74,1664.79 J43.a29@303.74,1664.79
P12V0A: J43.d29 J43.d30 J51.28 J51.29 | length 2070.9
  Top Layer w20: v3(131,1690) 153.74,1667.26 J43.d29@153.74,1664.79 167.79,1664.79 v1(176,1673) ; v3@131,1692 J43.d30@153.74,1714.74 ; J43.d30@153.74,1714.79 v1(170.53,1698)
  Bottom Layer w50: v3(131,1690) 510,1690 1329.92,2509.92 J51.29@1329.92,2784.65 J51.28@1229.92,2884.65
SCL2: J43.j35
SDA2: J43.j34
VCM1: J43.f30
VCM2: J43.g29
pads on no net: J43.1 J43.2 J43.b31 J43.b32 J43.e31 J43.e32 J43.f32 J43.g28 J43.h29 J43.h30 J43.k28 J43.k29

## Polygon pours and split planes (outlines as drawn)
GND on Top Layer "Top Layer-GND" (solid, pour order 24): 1162.46,164.85 1162.1,164.31 1162.46,163.78 1162.53,163.84 1163.68,164.31 1162.53,164.79
GND on Top Layer "Top Layer-GND 1" (solid, pour order 22): 358.48,402.93 357.41,402.21 356.21,401.41 353.86,400.26 351.69,398.8 349.21,397.96 346.87,396.81 344.3,396.3 341.82,395.46 339.09,394.91 336.48,394.74 333.92,394.23 332.61,394.32 331.31,394.15 247.28,394.15 248.79,391.88 249.95,389.54 251.4,387.36 252.05,385.44 313.51,385.44 314.82,385.27 316.12,385.35 318.69,384.84 321.3,384.67 324.03,384.13 326.51,383.29 329.07,382.78 329.08,382.78 331.42,381.62 333.9,380.78 336.07,379.33 338.42,378.17 339.62,377.37 340.73,376.62 340.74,376.62 342.7,374.9 344.88,373.44 345.74,372.46 346.28,372.05 389.37,372.05
GND on Top Layer "Top Layer-GND 2" (solid, pour order 20): 493.57,409.88 491.65,409.88 490.77,409 491.51,408.25 492.81,409.25 493.95,409.72
GND on Top Layer "Top Layer-GND 3" (solid, pour order 18): 1159.94,548.4 1159.17,548.4 1157.77,547 1160.36,544.4 1162.14,545.77 1163.29,546.24 1162.14,546.72
GND on Top Layer "Top Layer-GND 4" (solid, pour order 16): 491.55,774.78 490.77,774 491.91,772.86 492.36,773.21 493.51,773.68 492.36,774.16
GND on Top Layer "Top Layer-GND 5" (solid, pour order 14): 1169.75,928.91 1167.93,928.91 1165.77,926.75 1168.72,923.8 1171.95,926.28 1173.09,926.75 1171.95,927.23
GND on Top Layer "Top Layer-GND 6" (solid, pour order 12): 501.92,1149.08 502,1148.95 502.11,1149
GND on Top Layer "Top Layer-GND 7" (solid, pour order 10): 391.95,1317.48 389.96,1316.15 387.99,1314.43 386.87,1313.68 385.67,1312.88 383.33,1311.72 381.15,1310.27 378.68,1309.43 376.33,1308.27 373.76,1307.76 371.29,1306.92 368.56,1306.38 365.95,1306.21 363.38,1305.7 362.07,1305.78 360.77,1305.61 344.31,1305.61 344,1305.27 341.83,1303.81 339.86,1302.09 338.74,1301.34 337.55,1300.54 335.2,1299.38 333.02,1297.93 330.55,1297.09 328.2,1295.93 325.64,1295.42 323.16,1294.58 320.43,1294.04 317.82,1293.87 315.25,1293.36 313.94,1293.44 312.64,1293.27 197.86,1293.27 198.79,1291.88 199.95,1289.54 201.4,1287.36 201.61,1286.74 312.21,1286.74 313.51,1286.57 314.82,1286.66 317.39,1286.15 320,1285.97 322.73,1285.43 325.21,1284.59 327.77,1284.08 330.12,1282.92 332.6,1282.08 334.77,1280.63 337.12,1279.47 338.31,1278.67 339.43,1277.93 341.4,1276.2 343.57,1274.75 343.77,1274.53 348.99,1274.53
GND on Top Layer "Top Layer-GND 8" (solid, pour order 8): 1160.34,1316.85 1143.39,1316.85 1142.04,1315.5 1145,1312.53 1160.34,1312.53 1162.53,1314.22 1163.68,1314.69 1162.53,1315.17
GND on Top Layer "Top Layer-GND 9" (solid, pour order 6): 393.25,1318.79 393,1318.59 392.57,1318.11
GND on Top Layer "Top Layer-GND 10" (solid, pour order 4): 402.19,1327.55 401.52,1326.87 401.77,1327.07
GND on Top Layer "Top Layer-GND 11" (solid, pour order 2): 499.99,1515.22 498.77,1514 499.99,1512.78 500.97,1513.52 502.11,1514 500.97,1514.47
GND on Top Layer "Top Layer-GND 12" (solid, remove dead copper, pour order 0): 2622 vertices, not listed, extent -99.02,34.86 1641.33,1619.42
GND on GND (split plane): 1712.19,-98.01 -289.9,-98.01 -289.9,3011.4 1712.19,3011.4
GND on Power (split plane): 1712.19,-98.01 -289.9,-98.01 -289.9,3011.4 1712.19,3011.4

## Other copper
Top Layer:
  drawing of 16 lines, arcs and shapes, not listed
  text "TOP" at 142.31,-83.84 h50
Bottom Layer:
  text "BOT" at -151.58,-107.28 h40

## Silkscreen, mask and mechanical layers (free items; w line width, h text height)
Top Solder:
  lines w50: 346,763 398,763 408.68,773.68 432,773.68 ; 349,1217 378,1217 440,1279 1027,1279 1070,1322 1101.19,1322 ; 349,1370 357,1370 407,1420 407,1500 423,1516 450,1516 ; 359,313 401,313 549,165 1112,165 ; 360,915 388,915 1037,915 1050,928 1105,928 ; 360,1068 370,1068 447,1145 447,1148 ; 369,465 383,465 431,417 444,417 ; 735,359.72 876,359.72 ; 738,722 867,722 873,728 ; 743,1466 744,1467 870,1467 ; 743.73,1097.44 862,1097.44 ; 1406,1264.69 1563.69,1264.69 1566,1267 ; 1407,496.24 1557.24,496.24 1570,509 ; 1409,114.31 1409.92,113.4 1557.4,113.4 1561,117 ; 1414,878 1564.73,878 1566,879.26
Mechanical 1:
  the board outline again, w5
Mechanical 8:
  circle w3.94: c78.74,169.29 r25.59
  circle w3.94: c0,0 r114.17
  circle w3.94: c0,2480.32 r114.17
  circle w3.94: c-41.34,2311.02 r25.59
  circle w3.94: c0,0 r53.15
  circle w3.94: c0,2480.32 r53.15
  lines w3.94: -80.71,2311.02 -41.34,2311.02 ; -41.34,2271.65 -41.34,2311.02 ; -41.34,2350.4 -41.34,2311.02 ; -39.37,0 0,0 ; -39.37,2480.32 0,2480.32 ; -1.97,2311.02 -41.34,2311.02 ; 0,-39.37 0,0 ; 0,39.37 0,0 ; 0,2440.95 0,2480.32 ; 0,2519.69 0,2480.32 ; 39.37,0 0,0 ; 39.37,169.29 78.74,169.29 ; 39.37,2480.32 0,2480.32 ; 78.74,129.92 78.74,169.29 ; 78.74,208.66 78.74,169.29 ; 118.11,169.29 78.74,169.29 ; 263.78,263.78 303.15,263.78 ; 303.15,224.41 303.15,263.78 ; 303.15,303.15 303.15,263.78 ; 342.52,263.78 303.15,263.78
Drill Drawing:
  lines w3.94: -3124.02,2452.76 -3084.65,2452.76 ; -3084.65,2413.39 -3084.65,2452.76 ; -3084.65,2492.13 -3084.65,2452.76 ; -3045.28,2452.76 -3084.65,2452.76 ; -2698.82,2535.43 -2659.45,2535.43 ; -2659.45,2496.06 -2659.45,2535.43 ; -2659.45,2574.8 -2659.45,2535.43 ; -2620.08,2535.43 -2659.45,2535.43 ; -2509.84,-27.56 -2470.47,-27.56 ; -2470.47,-66.93 -2470.47,-27.56 ; -2470.47,11.81 -2470.47,-27.56 ; -2431.1,-27.56 -2470.47,-27.56

## Text inside footprints (layer, text, board x,y; h text height)
J43: Top Overlay "1" at -239.08,239.12 h39.37; Top Overlay "40" at -201.26,2314.79 h39.37 r270; Top Overlay "k" at -154.08,59.12 h39.37; Top Overlay "j" at -109.08,64.12 h39.37; Top Overlay "g" at -9.08,64.12 h39.37; Top Overlay "h" at -61.26,59.79 h39.37; Top Overlay "f" at 40.92,54.12 h39.37; Top Overlay "a" at 293.74,59.79 h39.37; Top Overlay "b" at 243.74,59.79 h39.37; Top Overlay "c" at 193.74,59.79 h39.37; Top Overlay "d" at 139.55,59.12 h39.37; Top Overlay "e" at 90.82,60.69 h39.37; Mechanical 14 "1" at -239.08,239.12 h39.37; Mechanical 14 "40" at -201.26,2314.79 h39.37 r270; Mechanical 14 "k" at -154.08,59.12 h39.37; Mechanical 14 "j" at -109.08,64.12 h39.37; Mechanical 14 "g" at -9.08,64.12 h39.37; Mechanical 14 "h" at -61.26,59.79 h39.37; Mechanical 14 "f" at 40.92,54.12 h39.37; Mechanical 14 "e" at 90.82,60.69 h39.37; Mechanical 14 "d" at 139.55,59.12 h39.37; Mechanical 14 "c" at 193.74,59.79 h39.37; Mechanical 14 "b" at 243.74,59.79 h39.37; Mechanical 14 "a" at 293.74,59.79 h39.37
J51: Top Overlay "30" at 1304.92,2939.65 h40; Mechanical 14 "30" at 1304.92,2939.65 h40